# EAGLE board Mk4 Final Panel (EAGLE 9.0.1), part 14 of 18
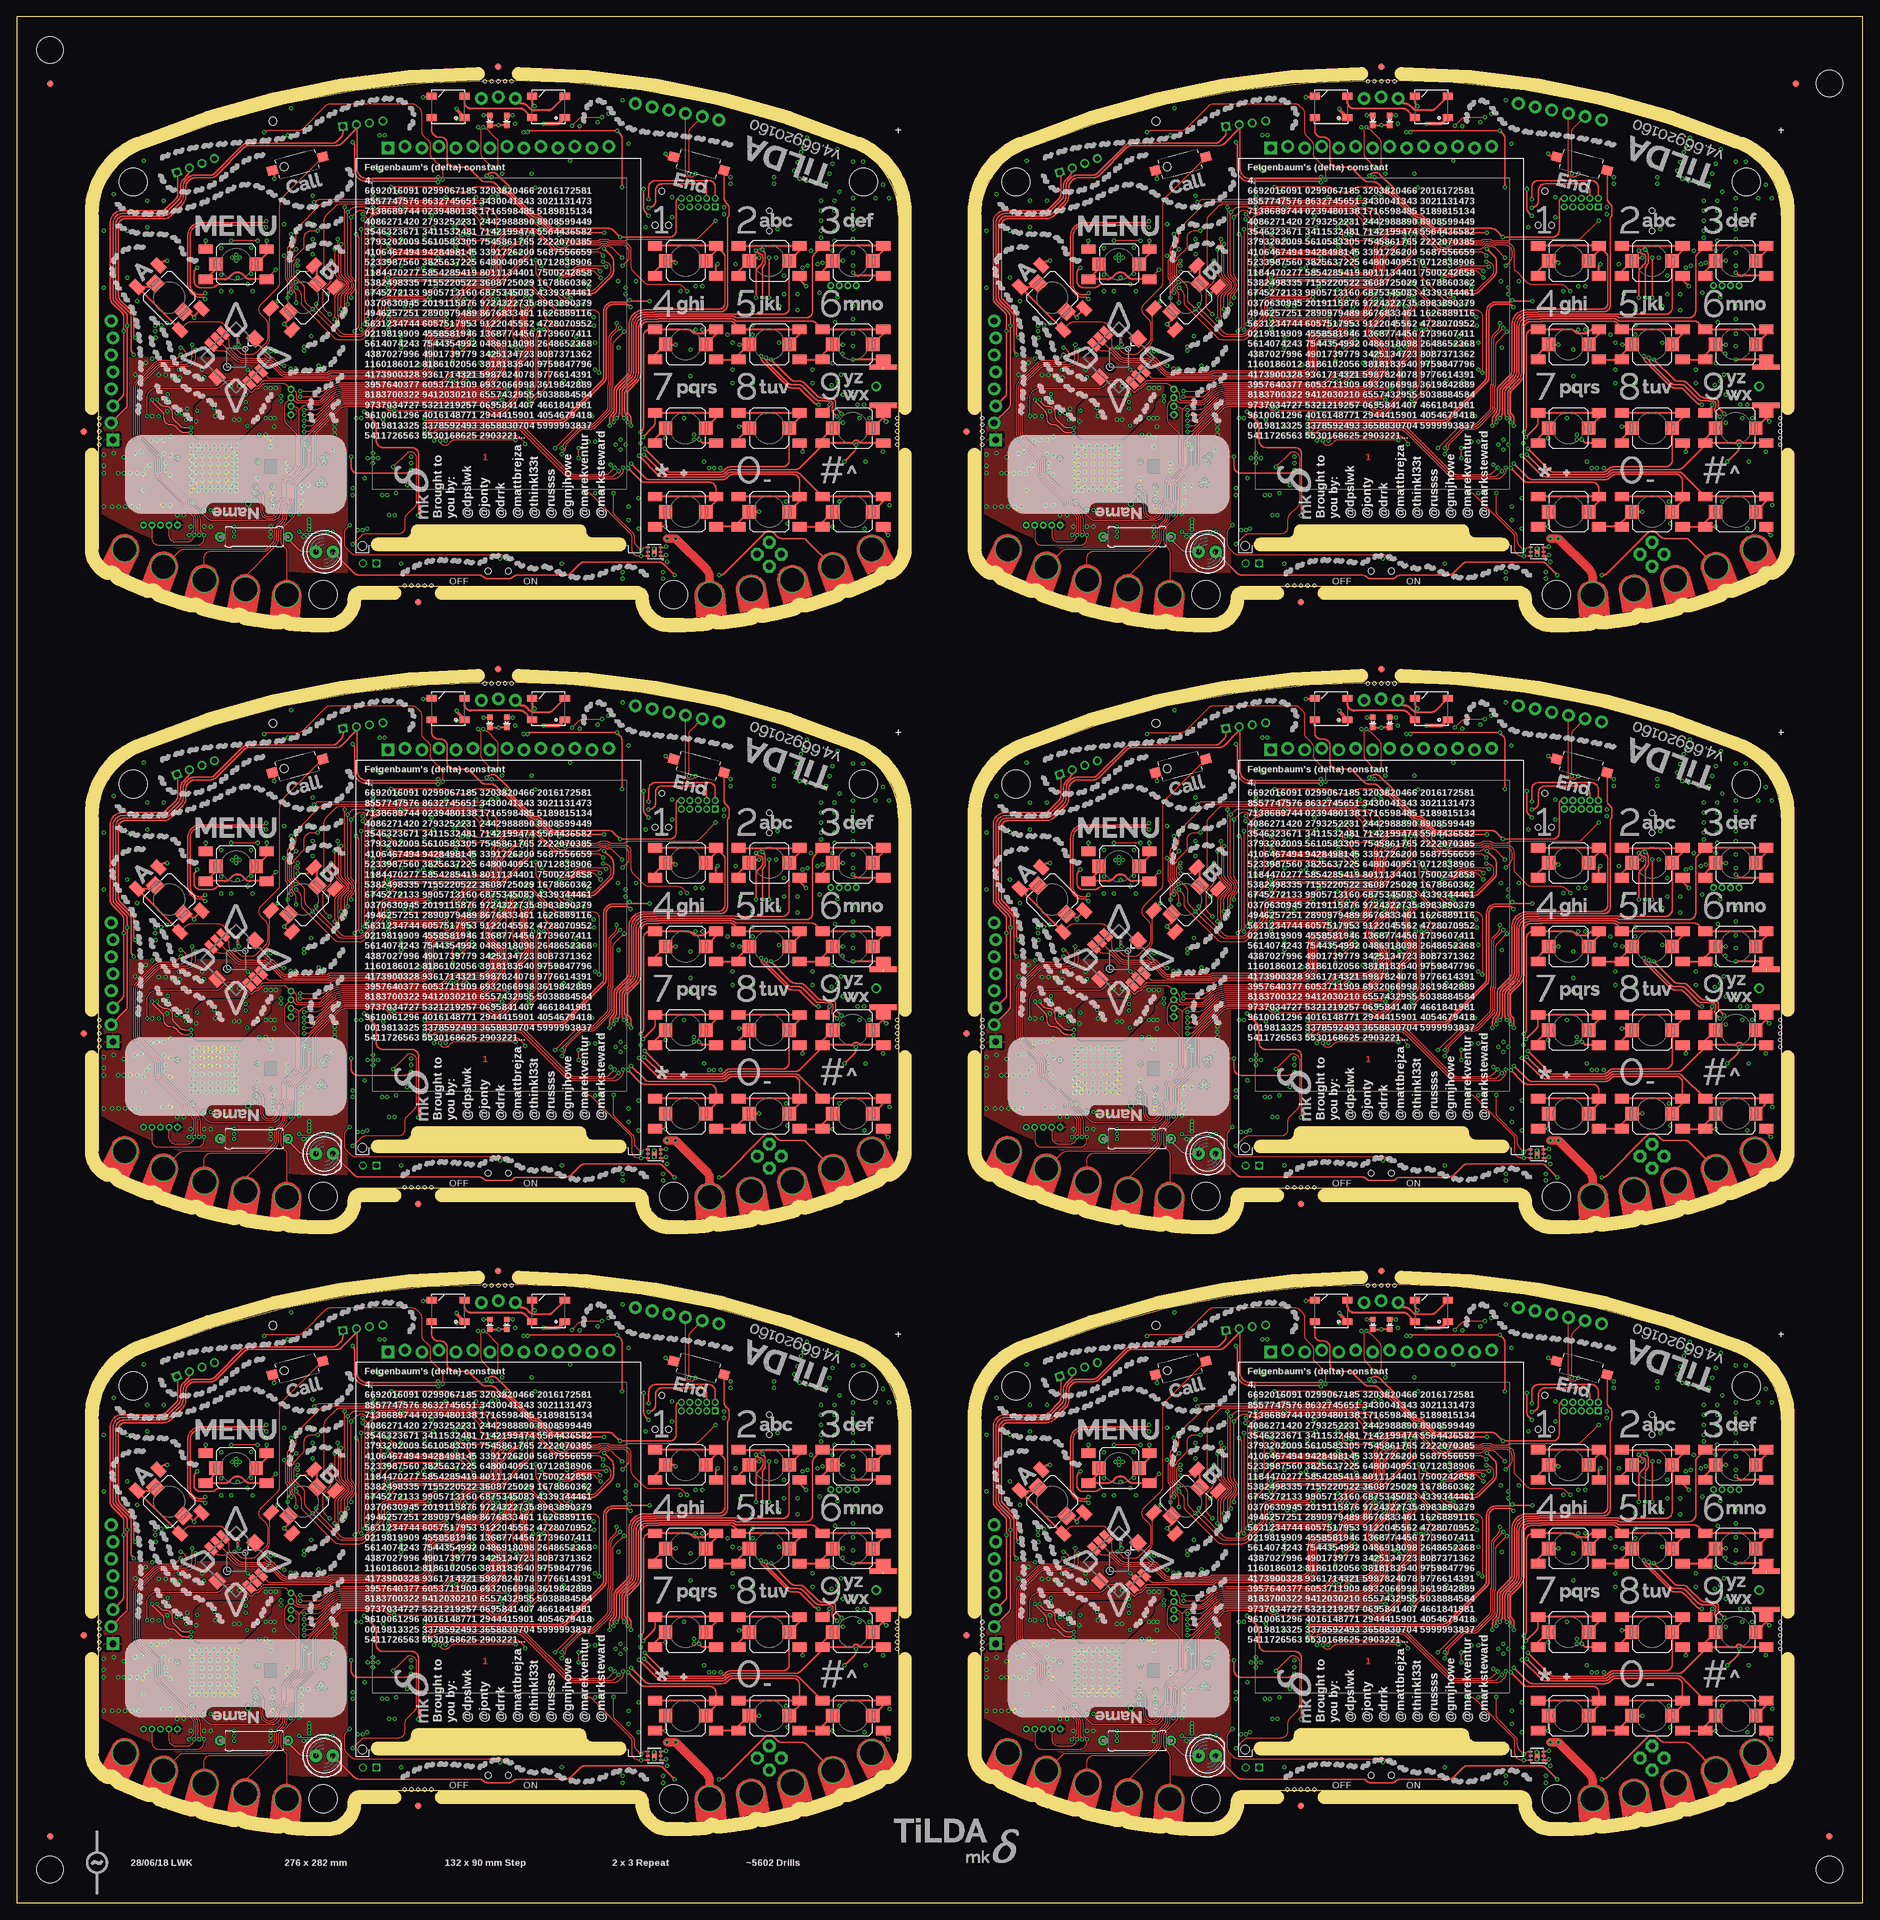
[diagram p0: board, top side]
## Tracks (layer width: path | path; a pad name or v marks a point on that pad's centre or on a via) (continued)
SIM_DATA  (via drill 0.3) (continued)
  Bottom 0.2: J1.C7 122.87,35.5 v123.75,35.5 | v110.5,60 arc-45 110.75,59.4 110.75,53.33 arc-45 110.53,52.8 110.32,52.59 arc45 110.1,52.06 110.1,51.44 arc45 110.32,50.91 110.8,50.43 arc90 112.21,50.43 112.53,50.75 v112.75,50.75 | R26.2 109.5,65.59 arc-45 109.79,66.29 v110.5,67 | IC10.1 122.7,42.9 arc-45 v123.3,42.65
SIM_DATA1  (via drill 0.3)
  Top 0.2: v255.75,35.5 257.21,36.96 arc45 257.5,37.66 v257.5,38 | v242.5,60 242.5,63.73 arc-45 242.79,64.44 243.26,64.9 arc45 243.55,65.61 243.55,66.05 arc90 243.05,66.55 242.95,66.55 v242.5,67 | v244.75,50.75 247.71,47.79 arc45 248.41,47.5 249.09,47.5 arc-45 249.79,47.21 251.71,45.29 arc45 252.41,45 253.04,45 arc-45 253.14,44.96 arc45 253.28,44.9 253.9,44.9 arc-90 254.4,44.4 254.4,43.76 arc45 254.55,43.4 v255.3,42.65
  3V3@2 0.2: v257.5,38 257.25,38.25 257.25,41.45 256.05,42.65 v255.3,42.65
  Bottom 0.2: J14.C7 254.87,35.5 v255.75,35.5 | v242.5,60 arc-45 242.75,59.4 242.75,53.33 arc-45 242.53,52.8 242.32,52.59 arc45 242.1,52.06 242.1,51.44 arc45 242.32,50.91 242.79,50.43 arc90 244.21,50.43 244.53,50.75 v244.75,50.75 | R108.2 241.5,65.59 arc-45 241.79,66.29 v242.5,67 | IC25.1 254.7,42.9 arc-45 v255.3,42.65
SIM_DATA2  (via drill 0.3)
  Top 0.2: v123.75,125.5 125.21,126.96 arc45 125.5,127.66 v125.5,128 | v110.5,150 110.5,153.73 arc-45 110.79,154.44 111.26,154.9 arc45 111.55,155.61 111.55,156.05 arc90 111.05,156.55 110.95,156.55 v110.5,157 | v112.75,140.75 115.71,137.79 arc45 116.41,137.5 117.09,137.5 arc-45 117.79,137.21 119.71,135.29 arc45 120.41,135 121.04,135 arc-45 121.14,134.96 arc45 121.28,134.9 121.9,134.9 arc-90 122.4,134.4 122.4,133.76 arc45 122.55,133.4 v123.3,132.65
  3V3@2 0.2: v125.5,128 125.25,128.25 125.25,131.45 124.05,132.65 v123.3,132.65
  Bottom 0.2: J24.C7 122.87,125.5 v123.75,125.5 | v110.5,150 arc-45 110.75,149.4 110.75,143.33 arc-45 110.53,142.8 110.32,142.59 arc45 110.1,142.06 110.1,141.44 arc45 110.32,140.91 110.8,140.43 arc90 112.21,140.43 112.53,140.75 v112.75,140.75 | R186.2 109.5,155.59 arc-45 109.79,156.29 v110.5,157 | IC43.1 122.7,132.9 arc-45 v123.3,132.65
SIM_DATA3  (via drill 0.3)
  Top 0.2: v255.75,125.5 257.21,126.96 arc45 257.5,127.66 v257.5,128 | v242.5,150 242.5,153.73 arc-45 242.79,154.44 243.26,154.9 arc45 243.55,155.61 243.55,156.05 arc90 243.05,156.55 242.95,156.55 v242.5,157 | v244.75,140.75 247.71,137.79 arc45 248.41,137.5 249.09,137.5 arc-45 249.79,137.21 251.71,135.29 arc45 252.41,135 253.04,135 arc-45 253.14,134.96 arc45 253.28,134.9 253.9,134.9 arc-90 254.4,134.4 254.4,133.76 arc45 254.55,133.4 v255.3,132.65
  3V3@2 0.2: v257.5,128 257.25,128.25 257.25,131.45 256.05,132.65 v255.3,132.65
  Bottom 0.2: J34.C7 254.87,125.5 v255.75,125.5 | v242.5,150 arc-45 242.75,149.4 242.75,143.33 arc-45 242.53,142.8 242.32,142.59 arc45 242.1,142.06 242.1,141.44 arc45 242.32,140.91 242.79,140.43 arc90 244.21,140.43 244.53,140.75 v244.75,140.75 | R264.2 241.5,155.59 arc-45 241.79,156.29 v242.5,157 | IC61.1 254.7,132.9 arc-45 v255.3,132.65
SIM_DATA4  (via drill 0.3)
  Top 0.2: v123.75,215.5 125.21,216.96 arc45 125.5,217.66 v125.5,218 | v110.5,240 110.5,243.73 arc-45 110.79,244.44 111.26,244.9 arc45 111.55,245.61 111.55,246.05 arc90 111.05,246.55 110.95,246.55 v110.5,247 | v112.75,230.75 115.71,227.79 arc45 116.41,227.5 117.09,227.5 arc-45 117.79,227.21 119.71,225.29 arc45 120.41,225 121.04,225 arc-45 121.14,224.96 arc45 121.28,224.9 121.9,224.9 arc-90 122.4,224.4 122.4,223.76 arc45 122.55,223.4 v123.3,222.65
  3V3@2 0.2: v125.5,218 125.25,218.25 125.25,221.45 124.05,222.65 v123.3,222.65
  Bottom 0.2: J44.C7 122.87,215.5 v123.75,215.5 | v110.5,240 arc-45 110.75,239.4 110.75,233.33 arc-45 110.53,232.8 110.32,232.59 arc45 110.1,232.06 110.1,231.44 arc45 110.32,230.91 110.8,230.43 arc90 112.21,230.43 112.53,230.75 v112.75,230.75 | R342.2 109.5,245.59 arc-45 109.79,246.29 v110.5,247 | IC79.1 122.7,222.9 arc-45 v123.3,222.65
SIM_DATA5  (via drill 0.3)
  Top 0.2: v255.75,215.5 257.21,216.96 arc45 257.5,217.66 v257.5,218 | v242.5,240 242.5,243.73 arc-45 242.79,244.44 243.26,244.9 arc45 243.55,245.61 243.55,246.05 arc90 243.05,246.55 242.95,246.55 v242.5,247 | v244.75,230.75 247.71,227.79 arc45 248.41,227.5 249.09,227.5 arc-45 249.79,227.21 251.71,225.29 arc45 252.41,225 253.04,225 arc-45 253.14,224.96 arc45 253.28,224.9 253.9,224.9 arc-90 254.4,224.4 254.4,223.76 arc45 254.55,223.4 v255.3,222.65
  3V3@2 0.2: v257.5,218 257.25,218.25 257.25,221.45 256.05,222.65 v255.3,222.65
  Bottom 0.2: J54.C7 254.87,215.5 v255.75,215.5 | v242.5,240 arc-45 242.75,239.4 242.75,233.33 arc-45 242.53,232.8 242.32,232.59 arc45 242.1,232.06 242.1,231.44 arc45 242.32,230.91 242.79,230.43 arc90 244.21,230.43 244.53,230.75 v244.75,230.75 | R420.2 241.5,245.59 arc-45 241.79,246.29 v242.5,247 | IC97.1 254.7,222.9 arc-45 v255.3,222.65
SIM_DATA_R
  Bottom 0.2: C50.2 R26.1 109.5,63.91 arc45 109.79,63.21 110.01,62.99 arc-45 110.3,62.29 IC5.15
SIM_DATA_R1
  Bottom 0.2: C157.2 R108.1 241.5,63.91 arc45 241.79,63.21 242.01,62.99 arc-45 242.3,62.29 IC21.15
SIM_DATA_R2
  Bottom 0.2: C265.2 R186.1 109.5,153.91 arc45 109.79,153.21 110.01,152.99 arc-45 110.3,152.29 IC39.15
SIM_DATA_R3
  Bottom 0.2: C373.2 R264.1 241.5,153.91 arc45 241.79,153.21 242.01,152.99 arc-45 242.3,152.29 IC57.15
SIM_DATA_R4
  Bottom 0.2: C481.2 R342.1 109.5,243.91 arc45 109.79,243.21 110.01,242.99 arc-45 110.3,242.29 IC75.15
SIM_DATA_R5
  Bottom 0.2: C589.2 R420.1 241.5,243.91 arc45 241.79,243.21 242.01,242.99 arc-45 242.3,242.29 IC93.15
SIM_DCD
  Bottom 0.2: R33.1 100,51.25 TP3.TP
SIM_DCD1
  Bottom 0.2: R116.1 232,51.25 TP22.TP
SIM_DCD2
  Bottom 0.2: R194.1 100,141.25 TP41.TP
SIM_DCD3
  Bottom 0.2: R272.1 232,141.25 TP60.TP
SIM_DCD4
  Bottom 0.2: R350.1 100,231.25 TP79.TP
SIM_DCD5
  Bottom 0.2: R428.1 232,231.25 TP98.TP
SIM_DCD_R
  Bottom 0.15: IC5.5 102.6,51.35 R33.2
SIM_DCD_R1
  Bottom 0.15: IC21.5 234.6,51.35 R116.2
SIM_DCD_R2
  Bottom 0.15: IC39.5 102.6,141.35 R194.2
SIM_DCD_R3
  Bottom 0.15: IC57.5 234.6,141.35 R272.2
SIM_DCD_R4
  Bottom 0.15: IC75.5 102.6,231.35 R350.2
SIM_DCD_R5
  Bottom 0.15: IC93.5 234.6,231.35 R428.2
SIM_DET
  Bottom 0.2: IC5.14 109.2,47 arc90 110.2,46 117.09,46 arc-45 117.79,45.71 118.71,44.79 arc-45 119,44.09 R29.2 119,40.41 arc45 119.29,39.71 120.65,38.35 arc45 121.35,38.06 J1.C8
SIM_DET1
  Bottom 0.2: IC21.14 241.2,47 arc90 242.2,46 249.09,46 arc-45 249.79,45.71 250.71,44.79 arc-45 251,44.09 R111.2 251,40.41 arc45 251.29,39.71 252.65,38.35 arc45 253.35,38.06 J14.C8
SIM_DET2
  Bottom 0.2: IC39.14 109.2,137 arc90 110.2,136 117.09,136 arc-45 117.79,135.71 118.71,134.79 arc-45 119,134.09 R189.2 119,130.41 arc45 119.29,129.71 120.65,128.35 arc45 121.35,128.06 J24.C8
SIM_DET3
  Bottom 0.2: IC57.14 241.2,137 arc90 242.2,136 249.09,136 arc-45 249.79,135.71 250.71,134.79 arc-45 251,134.09 R267.2 251,130.41 arc45 251.29,129.71 252.65,128.35 arc45 253.35,128.06 J34.C8
SIM_DET4
  Bottom 0.2: IC75.14 109.2,227 arc90 110.2,226 117.09,226 arc-45 117.79,225.71 118.71,224.79 arc-45 119,224.09 R345.2 119,220.41 arc45 119.29,219.71 120.65,218.35 arc45 121.35,218.06 J44.C8
SIM_DET5
  Bottom 0.2: IC93.14 241.2,227 arc90 242.2,226 249.09,226 arc-45 249.79,225.71 250.71,224.79 arc-45 251,224.09 R423.2 251,220.41 arc45 251.29,219.71 252.65,218.35 arc45 253.35,218.06 J54.C8
SIM_DTR
  Bottom 0.2: R31.1 100.25,53.25 TP2.TP
SIM_DTR1
  Bottom 0.2: R113.1 232.25,53.25 TP21.TP
SIM_DTR2
  Bottom 0.2: R191.1 100.25,143.25 TP40.TP
SIM_DTR3
  Bottom 0.2: R269.1 232.25,143.25 TP59.TP
SIM_DTR4
  Bottom 0.2: R347.1 100.25,233.25 TP78.TP
SIM_DTR5
  Bottom 0.2: R425.1 232.25,233.25 TP97.TP
SIM_DTR_R
  Bottom 0.15: R31.2 R40.1 102.7,52.45 IC5.6
SIM_DTR_R1
  Bottom 0.15: R113.2 R122.1 234.7,52.45 IC21.6
SIM_DTR_R2
  Bottom 0.15: R191.2 R200.1 102.7,142.45 IC39.6
SIM_DTR_R3
  Bottom 0.15: R269.2 R278.1 234.7,142.45 IC57.6
SIM_DTR_R4
  Bottom 0.15: R347.2 R356.1 102.7,232.45 IC75.6
SIM_DTR_R5
  Bottom 0.15: R425.2 R434.1 234.7,232.45 IC93.6
SIM_NETLIGHT
  Bottom 0.15: IC1.108 80.56,66.8 arc45 80.8,66.9 81.22,66.9 81.32,67 83.67,67 arc-90 86.17,64.5 86.17,62.62 arc45 86.32,62.27 86.48,62.11 arc-45 86.62,61.76 86.62,61.5 arc45 86.92,60.79 95.91,51.8 arc-45 96.2,51.09 96.2,43.75 arc90 97.2,42.75 TP12.TP 99,43.25 R42.1
SIM_NETLIGHT1
  Bottom 0.15: IC20.108 212.56,66.8 arc45 212.8,66.9 213.22,66.9 213.32,67 215.68,67 arc-90 218.18,64.5 218.18,62.62 arc45 218.32,62.27 218.48,62.11 arc-45 218.62,61.76 218.62,61.5 arc45 218.92,60.79 227.91,51.8 arc-45 228.2,51.09 228.2,43.75 arc90 229.2,42.75 TP31.TP 231,43.25 R124.1
SIM_NETLIGHT2
  Bottom 0.15: IC38.108 80.56,156.8 arc45 80.8,156.9 81.22,156.9 81.32,157 83.67,157 arc-90 86.17,154.5 86.17,152.62 arc45 86.32,152.27 86.48,152.11 arc-45 86.62,151.76 86.62,151.5 arc45 86.92,150.79 95.91,141.8 arc-45 96.2,141.09 96.2,133.75 arc90 97.2,132.75 TP50.TP 99,133.25 R202.1
SIM_NETLIGHT3
  Bottom 0.15: IC56.108 212.56,156.8 arc45 212.8,156.9 213.22,156.9 213.32,157 215.68,157 arc-90 218.18,154.5 218.18,152.62 arc45 218.32,152.27 218.48,152.11 arc-45 218.62,151.76 218.62,151.5 arc45 218.92,150.79 227.91,141.8 arc-45 228.2,141.09 228.2,133.75 arc90 229.2,132.75 TP69.TP 231,133.25 R280.1
SIM_NETLIGHT4
  Bottom 0.15: IC74.108 80.56,246.8 arc45 80.8,246.9 81.22,246.9 81.32,247 83.67,247 arc-90 86.17,244.5 86.17,242.62 arc45 86.32,242.27 86.48,242.11 arc-45 86.62,241.76 86.62,241.5 arc45 86.92,240.79 95.91,231.8 arc-45 96.2,231.09 96.2,223.75 arc90 97.2,222.75 TP88.TP 99,223.25 R358.1
SIM_NETLIGHT5
  Bottom 0.15: IC92.108 212.56,246.8 arc45 212.8,246.9 213.22,246.9 213.32,247 215.68,247 arc-90 218.18,244.5 218.18,242.62 arc45 218.32,242.27 218.48,242.11 arc-45 218.62,241.76 218.62,241.5 arc45 218.92,240.79 227.91,231.8 arc-45 228.2,231.09 228.2,223.75 arc90 229.2,222.75 TP107.TP 231,223.25 R436.1
SIM_PWR_KEY
  Bottom 0.15: Q1.1 101.42,41 R30.1 TP13.TP 96.9,41 arc-90 95.9,42 95.9,50.97 arc45 95.61,51.68 86.62,60.67 arc-45 86.33,61.38 86.33,61.63 arc45 86.18,61.99 86.02,62.15 arc-45 85.88,62.5 85.88,64.45 arc90 83.62,66.7 81.45,66.7 81.38,66.63 arc-45 81.31,66.6 81.04,66.6 arc45 80.97,66.57 80.83,66.43 arc-45 80.76,66.4 IC1.109
SIM_PWR_KEY1
  Bottom 0.15: Q6.1 233.43,41 R112.1 TP32.TP 228.9,41 arc-90 227.9,42 227.9,50.97 arc45 227.61,51.68 218.62,60.67 arc-45 218.32,61.38 218.32,61.63 arc45 218.18,61.99 218.02,62.15 arc-45 217.88,62.5 217.88,64.45 arc90 215.62,66.7 213.45,66.7 213.38,66.63 arc-45 213.31,66.6 213.04,66.6 arc45 212.97,66.57 212.83,66.43 arc-45 212.76,66.4 IC20.109
SIM_PWR_KEY2
  Bottom 0.15: Q11.1 101.42,131 R190.1 TP51.TP 96.9,131 arc-90 95.9,132 95.9,140.97 arc45 95.61,141.68 86.62,150.67 arc-45 86.33,151.38 86.33,151.63 arc45 86.18,151.99 86.02,152.15 arc-45 85.88,152.5 85.88,154.45 arc90 83.62,156.7 81.45,156.7 81.38,156.63 arc-45 81.31,156.6 81.04,156.6 arc45 80.97,156.57 80.83,156.43 arc-45 80.76,156.4 IC38.109
SIM_PWR_KEY3
  Bottom 0.15: Q15.1 233.43,131 R268.1 TP70.TP 228.9,131 arc-90 227.9,132 227.9,140.97 arc45 227.61,141.68 218.62,150.67 arc-45 218.32,151.38 218.32,151.63 arc45 218.18,151.99 218.02,152.15 arc-45 217.88,152.5 217.88,154.45 arc90 215.62,156.7 213.45,156.7 213.38,156.63 arc-45 213.31,156.6 213.04,156.6 arc45 212.97,156.57 212.83,156.43 arc-45 212.76,156.4 IC56.109
SIM_PWR_KEY4
  Bottom 0.15: Q19.1 101.42,221 R346.1 TP89.TP 96.9,221 arc-90 95.9,222 95.9,230.97 arc45 95.61,231.68 86.62,240.67 arc-45 86.33,241.38 86.33,241.63 arc45 86.18,241.99 86.02,242.15 arc-45 85.88,242.5 85.88,244.45 arc90 83.62,246.7 81.45,246.7 81.38,246.63 arc-45 81.31,246.6 81.04,246.6 arc45 80.97,246.57 80.83,246.43 arc-45 80.76,246.4 IC74.109
SIM_PWR_KEY5
  Bottom 0.15: Q23.1 233.43,221 R424.1 TP108.TP 228.9,221 arc-90 227.9,222 227.9,230.97 arc45 227.61,231.68 218.62,240.67 arc-45 218.32,241.38 218.32,241.63 arc45 218.18,241.99 218.02,242.15 arc-45 217.88,242.5 217.88,244.45 arc90 215.62,246.7 213.45,246.7 213.38,246.63 arc-45 213.31,246.6 213.04,246.6 arc45 212.97,246.57 212.83,246.43 arc-45 212.76,246.4 IC92.109
SIM_RI  (via drill 0.3)
  Top 0.15: v78.4,64.8 78.81,64.39 arc45 79.51,64.1 82.77,64.1 arc45 83.16,64.26 arc-45 84.22,64.7 87.86,64.7 arc-45 v88.1,64.6
  Bottom 0.15: 100.72,54.5 100.97,54.25 R32.1 101,54.25 TP10.TP 94.16,55.25 88.39,61.01 arc-45 88.1,61.72 v88.1,64.6 | IC1.112 79.21,65.2 arc45 78.51,64.91 v78.4,64.8
SIM_RI1  (via drill 0.3)
  Top 0.15: v210.4,64.8 210.81,64.39 arc45 211.51,64.1 214.77,64.1 arc45 215.16,64.26 arc-45 216.22,64.7 219.86,64.7 arc-45 v220.1,64.6
  Bottom 0.15: 232.72,54.5 232.97,54.25 R115.1 233,54.25 TP29.TP 226.16,55.25 220.39,61.01 arc-45 220.1,61.72 v220.1,64.6 | IC20.112 211.21,65.2 arc45 210.51,64.91 v210.4,64.8
SIM_RI2  (via drill 0.3)
  Top 0.15: v78.4,154.8 78.81,154.39 arc45 79.51,154.1 82.77,154.1 arc45 83.16,154.26 arc-45 84.22,154.7 87.86,154.7 arc-45 v88.1,154.6
  Bottom 0.15: 100.72,144.5 100.97,144.25 R193.1 101,144.25 TP48.TP 94.16,145.25 88.39,151.01 arc-45 88.1,151.72 v88.1,154.6 | IC38.112 79.21,155.2 arc45 78.51,154.91 v78.4,154.8
SIM_RI3  (via drill 0.3)
  Top 0.15: v210.4,154.8 210.81,154.39 arc45 211.51,154.1 214.77,154.1 arc45 215.16,154.26 arc-45 216.22,154.7 219.86,154.7 arc-45 v220.1,154.6
  Bottom 0.15: 232.72,144.5 232.97,144.25 R271.1 233,144.25 TP67.TP 226.16,145.25 220.39,151.01 arc-45 220.1,151.72 v220.1,154.6 | IC56.112 211.21,155.2 arc45 210.51,154.91 v210.4,154.8
SIM_RI4  (via drill 0.3)
  Top 0.15: v78.4,244.8 78.81,244.39 arc45 79.51,244.1 82.77,244.1 arc45 83.16,244.26 arc-45 84.22,244.7 87.86,244.7 arc-45 v88.1,244.6
  Bottom 0.15: 100.72,234.5 100.97,234.25 R349.1 101,234.25 TP86.TP 94.16,235.25 88.39,241.01 arc-45 88.1,241.72 v88.1,244.6 | IC74.112 79.21,245.2 arc45 78.51,244.91 v78.4,244.8
SIM_RI5  (via drill 0.3)
  Top 0.15: v210.4,244.8 210.81,244.39 arc45 211.51,244.1 214.77,244.1 arc45 215.16,244.26 arc-45 216.22,244.7 219.86,244.7 arc-45 v220.1,244.6
  Bottom 0.15: 232.72,234.5 232.97,234.25 R427.1 233,234.25 TP105.TP 226.16,235.25 220.39,241.01 arc-45 220.1,241.72 v220.1,244.6 | IC92.112 211.21,245.2 arc45 210.51,244.91 v210.4,244.8
SIM_RI_R
  Bottom 0.15: IC5.7 103.2,53.55 R32.2
SIM_RI_R1
  Bottom 0.15: IC21.7 235.2,53.55 R115.2
SIM_RI_R2
  Bottom 0.15: IC39.7 103.2,143.55 R193.2
SIM_RI_R3
  Bottom 0.15: IC57.7 235.2,143.55 R271.2
SIM_RI_R4
  Bottom 0.15: IC75.7 103.2,233.55 R349.2
SIM_RI_R5
  Bottom 0.15: IC93.7 235.2,233.55 R427.2
SIM_RST  (via drill 0.3)
  Top 0.2: v111.25,51.25 111.25,51.06 arc45 111.47,50.53 115.21,46.79 arc45 115.91,46.5 116.59,46.5 arc-45 117.29,46.21 119.22,44.28 arc45 v119.9,44 | v112.5,66 v112.5,60
  Bottom 0.2: J1.C2 128,32.98 127.98,33 125.41,33 arc-45 124.71,33.29 arc-45 124.5,33.79 124.5,35.59 arc45 124.21,36.29 124.04,36.46 arc-45 123.75,37.16 123.75,38.25 arc90 123.25,38.75 122.96,38.75 arc-45 122.6,38.9 120.11,41.39 arc-45 119.9,41.9 | v111.25,51.25 111.25,51.94 arc-45 111.47,52.47 111.53,52.53 arc45 111.75,53.06 111.75,58.84 arc-45 112.04,59.54 v112.5,60 | R28.2 v112.5,66 | 119.9,41.9 v119.9,44 | IC10.4 119.9,41.9
SIM_RST1  (via drill 0.3)
  Top 0.2: v243.25,51.25 243.25,51.06 arc45 243.47,50.53 247.21,46.79 arc45 247.91,46.5 248.59,46.5 arc-45 249.29,46.21 251.22,44.28 arc45 v251.9,44 | v244.5,66 v244.5,60
  Bottom 0.2: J14.C2 260,32.98 259.98,33 257.41,33 arc-45 256.71,33.29 arc-45 256.5,33.79 256.5,35.59 arc45 256.21,36.29 256.04,36.46 arc-45 255.75,37.16 255.75,38.25 arc90 255.25,38.75 254.96,38.75 arc-45 254.6,38.9 252.11,41.39 arc-45 251.9,41.9 | v243.25,51.25 243.25,51.94 arc-45 243.47,52.47 243.53,52.53 arc45 243.75,53.06 243.75,58.84 arc-45 244.04,59.54 v244.5,60 | R110.2 v244.5,66 | 251.9,41.9 v251.9,44 | IC25.4 251.9,41.9
SIM_RST2  (via drill 0.3)
  Top 0.2: v111.25,141.25 111.25,141.06 arc45 111.47,140.53 115.21,136.79 arc45 115.91,136.5 116.59,136.5 arc-45 117.29,136.21 119.22,134.28 arc45 v119.9,134 | v112.5,156 v112.5,150
  Bottom 0.2: J24.C2 128,122.98 127.98,123 125.41,123 arc-45 124.71,123.29 arc-45 124.5,123.79 124.5,125.59 arc45 124.21,126.29 124.04,126.46 arc-45 123.75,127.16 123.75,128.25 arc90 123.25,128.75 122.96,128.75 arc-45 122.6,128.9 120.11,131.39 arc-45 119.9,131.9 | v111.25,141.25 111.25,141.94 arc-45 111.47,142.47 111.53,142.53 arc45 111.75,143.06 111.75,148.84 arc-45 112.04,149.54 v112.5,150 | R188.2 v112.5,156 | 119.9,131.9 v119.9,134 | IC43.4 119.9,131.9
SIM_RST3  (via drill 0.3)
  Top 0.2: v243.25,141.25 243.25,141.06 arc45 243.47,140.53 247.21,136.79 arc45 247.91,136.5 248.59,136.5 arc-45 249.29,136.21 251.22,134.28 arc45 v251.9,134 | v244.5,156 v244.5,150
  Bottom 0.2: J34.C2 260,122.98 259.98,123 257.41,123 arc-45 256.71,123.29 arc-45 256.5,123.79 256.5,125.59 arc45 256.21,126.29 256.04,126.46 arc-45 255.75,127.16 255.75,128.25 arc90 255.25,128.75 254.96,128.75 arc-45 254.6,128.9 252.11,131.39 arc-45 251.9,131.9 | v243.25,141.25 243.25,141.94 arc-45 243.47,142.47 243.53,142.53 arc45 243.75,143.06 243.75,148.84 arc-45 244.04,149.54 v244.5,150 | R266.2 v244.5,156 | 251.9,131.9 v251.9,134 | IC61.4 251.9,131.9
SIM_RST4  (via drill 0.3)
  Top 0.2: v111.25,231.25 111.25,231.06 arc45 111.47,230.53 115.21,226.79 arc45 115.91,226.5 116.59,226.5 arc-45 117.29,226.21 119.22,224.28 arc45 v119.9,224 | v112.5,246 v112.5,240
  Bottom 0.2: J44.C2 128,212.98 127.98,213 125.41,213 arc-45 124.71,213.29 arc-45 124.5,213.79 124.5,215.59 arc45 124.21,216.29 124.04,216.46 arc-45 123.75,217.16 123.75,218.25 arc90 123.25,218.75 122.96,218.75 arc-45 122.6,218.9 120.11,221.39 arc-45 119.9,221.9 | v111.25,231.25 111.25,231.94 arc-45 111.47,232.47 111.53,232.53 arc45 111.75,233.06 111.75,238.84 arc-45 112.04,239.54 v112.5,240 | R344.2 v112.5,246 | 119.9,221.9 v119.9,224 | IC79.4 119.9,221.9
SIM_RST5  (via drill 0.3)
  Top 0.2: v243.25,231.25 243.25,231.06 arc45 243.47,230.53 247.21,226.79 arc45 247.91,226.5 248.59,226.5 arc-45 249.29,226.21 251.22,224.28 arc45 v251.9,224 | v244.5,246 v244.5,240
  Bottom 0.2: J54.C2 260,212.98 259.98,213 257.41,213 arc-45 256.71,213.29 arc-45 256.5,213.79 256.5,215.59 arc45 256.21,216.29 256.04,216.46 arc-45 255.75,217.16 255.75,218.25 arc90 255.25,218.75 254.96,218.75 arc-45 254.6,218.9 252.11,221.39 arc-45 251.9,221.9 | v243.25,231.25 243.25,231.94 arc-45 243.47,232.47 243.53,232.53 arc45 243.75,233.06 243.75,238.84 arc-45 244.04,239.54 v244.5,240 | R422.2 v244.5,246 | 251.9,221.9 v251.9,224 | IC97.4 251.9,221.9
SIM_RST_R
  Bottom 0.2: IC5.17 R28.1 C48.2
SIM_RST_R1
  Bottom 0.2: IC21.17 R110.1 C155.2
SIM_RST_R2
  Bottom 0.2: IC39.17 R188.1 C263.2
SIM_RST_R3
  Bottom 0.2: IC57.17 R266.1 C371.2
SIM_RST_R4
  Bottom 0.2: IC75.17 R344.1 C479.2
SIM_RST_R5
  Bottom 0.2: IC93.17 R422.1 C587.2
SIM_RTS
  Bottom 0.2: TP5.TP R35.1
SIM_RTS1
  Bottom 0.2: TP24.TP R118.1
SIM_RTS2
  Bottom 0.2: TP43.TP R196.1
SIM_RTS3
  Bottom 0.2: TP62.TP R274.1
SIM_RTS4
  Bottom 0.2: TP81.TP R352.1
SIM_RTS5
  Bottom 0.2: TP100.TP R430.1
SIM_RTS_R
  Bottom 0.15: IC5.3 104.55,49.25 R35.2 R39.1
SIM_RTS_R1
  Bottom 0.15: IC21.3 236.55,49.25 R118.2 R121.1
SIM_RTS_R2
  Bottom 0.15: IC39.3 104.55,139.25 R196.2 R199.1
SIM_RTS_R3
  Bottom 0.15: IC57.3 236.55,139.25 R274.2 R277.1
SIM_RTS_R4
  Bottom 0.15: IC75.3 104.55,229.25 R352.2 R355.1
SIM_RTS_R5
  Bottom 0.15: IC93.3 236.55,229.25 R430.2 R433.1
SIM_RXD_R
  Bottom 0.15: IC5.2 103.71,48.05 arc45 103.01,47.76 R37.2 R38.1
SIM_RXD_R1
  Bottom 0.15: IC21.2 235.71,48.05 arc45 235.01,47.76 R120.2 R114.1
SIM_RXD_R2
  Bottom 0.15: IC39.2 103.71,138.05 arc45 103.01,137.76 R198.2 R192.1
SIM_RXD_R3
  Bottom 0.15: IC57.2 235.71,138.05 arc45 235.01,137.76 R276.2 R270.1
SIM_RXD_R4
  Bottom 0.15: IC75.2 103.71,228.05 arc45 103.01,227.76 R354.2 R348.1
SIM_RXD_R5
  Bottom 0.15: IC93.2 235.71,228.05 arc45 235.01,227.76 R432.2 R426.1
SIM_STATUS
  Bottom 0.15: R41.1 98.25,44.25 TP11.TP 96.79,45.71 arc-45 96.5,46.41 96.5,51.22 arc45 96.21,51.93 87.22,60.92 arc-45 86.92,61.62 86.92,61.88 arc45 86.78,62.24 86.62,62.39 arc-45 86.47,62.75 86.47,64.55 arc90 83.72,67.3 81.2,67.3 81.1,67.2 IC1.107
SIM_STATUS1
  Bottom 0.15: R123.1 230.25,44.25 TP30.TP 228.79,45.71 arc-45 228.5,46.41 228.5,51.22 arc45 228.21,51.93 219.22,60.92 arc-45 218.93,61.62 218.93,61.88 arc45 218.78,62.24 218.62,62.39 arc-45 218.47,62.75 218.47,64.55 arc90 215.72,67.3 213.2,67.3 213.1,67.2 IC20.107
SIM_STATUS2
  Bottom 0.15: R201.1 98.25,134.25 TP49.TP 96.79,135.71 arc-45 96.5,136.41 96.5,141.22 arc45 96.21,141.93 87.22,150.92 arc-45 86.92,151.62 86.92,151.88 arc45 86.78,152.24 86.62,152.39 arc-45 86.47,152.75 86.47,154.55 arc90 83.72,157.3 81.2,157.3 81.1,157.2 IC38.107
SIM_STATUS3
  Bottom 0.15: R279.1 230.25,134.25 TP68.TP 228.79,135.71 arc-45 228.5,136.41 228.5,141.22 arc45 228.21,141.93 219.22,150.92 arc-45 218.93,151.62 218.93,151.88 arc45 218.78,152.24 218.62,152.39 arc-45 218.47,152.75 218.47,154.55 arc90 215.72,157.3 213.2,157.3 213.1,157.2 IC56.107
SIM_STATUS4
  Bottom 0.15: R357.1 98.25,224.25 TP87.TP 96.79,225.71 arc-45 96.5,226.41 96.5,231.22 arc45 96.21,231.93 87.22,240.92 arc-45 86.92,241.62 86.92,241.88 arc45 86.78,242.24 86.62,242.39 arc-45 86.47,242.75 86.47,244.55 arc90 83.72,247.3 81.2,247.3 81.1,247.2 IC74.107
SIM_STATUS5
  Bottom 0.15: R435.1 230.25,224.25 TP106.TP 228.79,225.71 arc-45 228.5,226.41 228.5,231.22 arc45 228.21,231.93 219.22,240.92 arc-45 218.93,241.62 218.93,241.88 arc45 218.78,242.24 218.62,242.39 arc-45 218.47,242.75 218.47,244.55 arc90 215.72,247.3 213.2,247.3 213.1,247.2 IC92.107
SIM_STATUS_R
  Bottom 0.15: R41.2 108.05,44.25 IC5.42
SIM_STATUS_R1
  Bottom 0.15: R123.2 240.05,44.25 IC21.42
SIM_STATUS_R2
  Bottom 0.15: R201.2 108.05,134.25 IC39.42
SIM_STATUS_R3
  Bottom 0.15: R279.2 240.05,134.25 IC57.42
SIM_STATUS_R4
  Bottom 0.15: R357.2 108.05,224.25 IC75.42
SIM_STATUS_R5
  Bottom 0.15: R435.2 240.05,224.25 IC93.42
SIM_TXD_R
  Bottom 0.15: IC5.1 104.2,46.95 arc90 103.25,46 arc-90 R36.2
SIM_TXD_R1
  Bottom 0.15: IC21.1 236.2,46.95 arc90 235.25,46 arc-90 R119.2
SIM_TXD_R2
  Bottom 0.15: IC39.1 104.2,136.95 arc90 103.25,136 arc-90 R197.2
SIM_TXD_R3
  Bottom 0.15: IC57.1 236.2,136.95 arc90 235.25,136 arc-90 R275.2
SIM_TXD_R4
  Bottom 0.15: IC75.1 104.2,226.95 arc90 103.25,226 arc-90 R353.2
SIM_TXD_R5
  Bottom 0.15: IC93.1 236.2,226.95 arc90 235.25,226 arc-90 R431.2
SIM_VBUS
  Bottom 0.25: IC5.24 121.35,56.85 arc90 122,57.5 122,61.49 JP9.4
SIM_VBUS1
  Bottom 0.25: IC21.24 253.35,56.85 arc90 254,57.5 254,61.49 JP14.4
SIM_VBUS2
  Bottom 0.25: IC39.24 121.35,146.85 arc90 122,147.5 122,151.49 JP23.4
SIM_VBUS3
  Bottom 0.25: IC57.24 253.35,146.85 arc90 254,147.5 254,151.49 JP32.4
SIM_VBUS4
  Bottom 0.25: IC75.24 121.35,236.85 arc90 122,237.5 122,241.49 JP41.4
SIM_VBUS5
  Bottom 0.25: IC93.24 253.35,236.85 arc90 254,237.5 254,241.49 JP50.4
SIM_VDD
  Bottom 0.3: C51.2 arc-45 127.5,26.85 127.5,28.84 arc-45 127.79,29.54 128.4,30.15 arc-45 129.1,30.44 J1.C1 130.11,31.2 arc-45 130.4,31.9 130.46,31.96 arc45 130.75,32.66 130.75,33.25 arc90 129.75,34.25 126,34.25 arc-90 125,35.25 125,36.09 arc45 124.71,36.79 124.54,36.96 arc-45 124.25,37.66 124.25,38.75 arc90 123.25,39.75 122.91,39.75 arc-45 122.21,40.04 121.54,40.71 arc-45 121.25,41.41 121.25,42.5 120.85,42.9 IC10.5 120.58,44.59 arc45 120.28,45.29 119.37,46.21 arc45 118.66,46.5 115.91,46.5 arc-45 115.21,46.79 113.79,48.21 arc-45 113.5,48.91 113.5,50.94 arc45 113.28,51.47 112.47,52.28 arc-45 112.25,52.81 112.25,58.34 arc-45 112.54,59.04 113.31,59.81 arc45 113.6,60.51 IC5.18
SIM_VDD1
  Bottom 0.3: C158.2 arc-45 259.5,26.85 259.5,28.84 arc-45 259.79,29.54 260.4,30.15 arc-45 261.1,30.44 J14.C1 262.11,31.2 arc-45 262.4,31.9 262.46,31.96 arc45 262.75,32.66 262.75,33.25 arc90 261.75,34.25 258,34.25 arc-90 257,35.25 257,36.09 arc45 256.71,36.79 256.54,36.96 arc-45 256.25,37.66 256.25,38.75 arc90 255.25,39.75 254.91,39.75 arc-45 254.21,40.04 253.54,40.71 arc-45 253.25,41.41 253.25,42.5 252.85,42.9 IC25.5 252.57,44.59 arc45 252.28,45.29 251.37,46.21 arc45 250.66,46.5 247.91,46.5 arc-45 247.21,46.79 245.79,48.21 arc-45 245.5,48.91 245.5,50.94 arc45 245.28,51.47 244.47,52.28 arc-45 244.25,52.81 244.25,58.34 arc-45 244.54,59.04 245.31,59.81 arc45 245.6,60.51 IC21.18
SIM_VDD2
  Bottom 0.3: C266.2 arc-45 127.5,116.85 127.5,118.84 arc-45 127.79,119.54 128.4,120.15 arc-45 129.1,120.44 J24.C1 130.11,121.2 arc-45 130.4,121.9 130.46,121.96 arc45 130.75,122.66 130.75,123.25 arc90 129.75,124.25 126,124.25 arc-90 125,125.25 125,126.09 arc45 124.71,126.79 124.54,126.96 arc-45 124.25,127.66 124.25,128.75 arc90 123.25,129.75 122.91,129.75 arc-45 122.21,130.04 121.54,130.71 arc-45 121.25,131.41 121.25,132.5 120.85,132.9 IC43.5 120.58,134.59 arc45 120.28,135.29 119.37,136.21 arc45 118.66,136.5 115.91,136.5 arc-45 115.21,136.79 113.79,138.21 arc-45 113.5,138.91 113.5,140.94 arc45 113.28,141.47 112.47,142.28 arc-45 112.25,142.81 112.25,148.34 arc-45 112.54,149.04 113.31,149.81 arc45 113.6,150.51 IC39.18
SIM_VDD3
  Bottom 0.3: C374.2 arc-45 259.5,116.85 259.5,118.84 arc-45 259.79,119.54 260.4,120.15 arc-45 261.1,120.44 J34.C1 262.11,121.2 arc-45 262.4,121.9 262.46,121.96 arc45 262.75,122.66 262.75,123.25 arc90 261.75,124.25 258,124.25 arc-90 257,125.25 257,126.09 arc45 256.71,126.79 256.54,126.96 arc-45 256.25,127.66 256.25,128.75 arc90 255.25,129.75 254.91,129.75 arc-45 254.21,130.04 253.54,130.71 arc-45 253.25,131.41 253.25,132.5 252.85,132.9 IC61.5 252.57,134.59 arc45 252.28,135.29 251.37,136.21 arc45 250.66,136.5 247.91,136.5 arc-45 247.21,136.79 245.79,138.21 arc-45 245.5,138.91 245.5,140.94 arc45 245.28,141.47 244.47,142.28 arc-45 244.25,142.81 244.25,148.34 arc-45 244.54,149.04 245.31,149.81 arc45 245.6,150.51 IC57.18